# KiCad board SuperBrick1.kicad_pcb (continued)
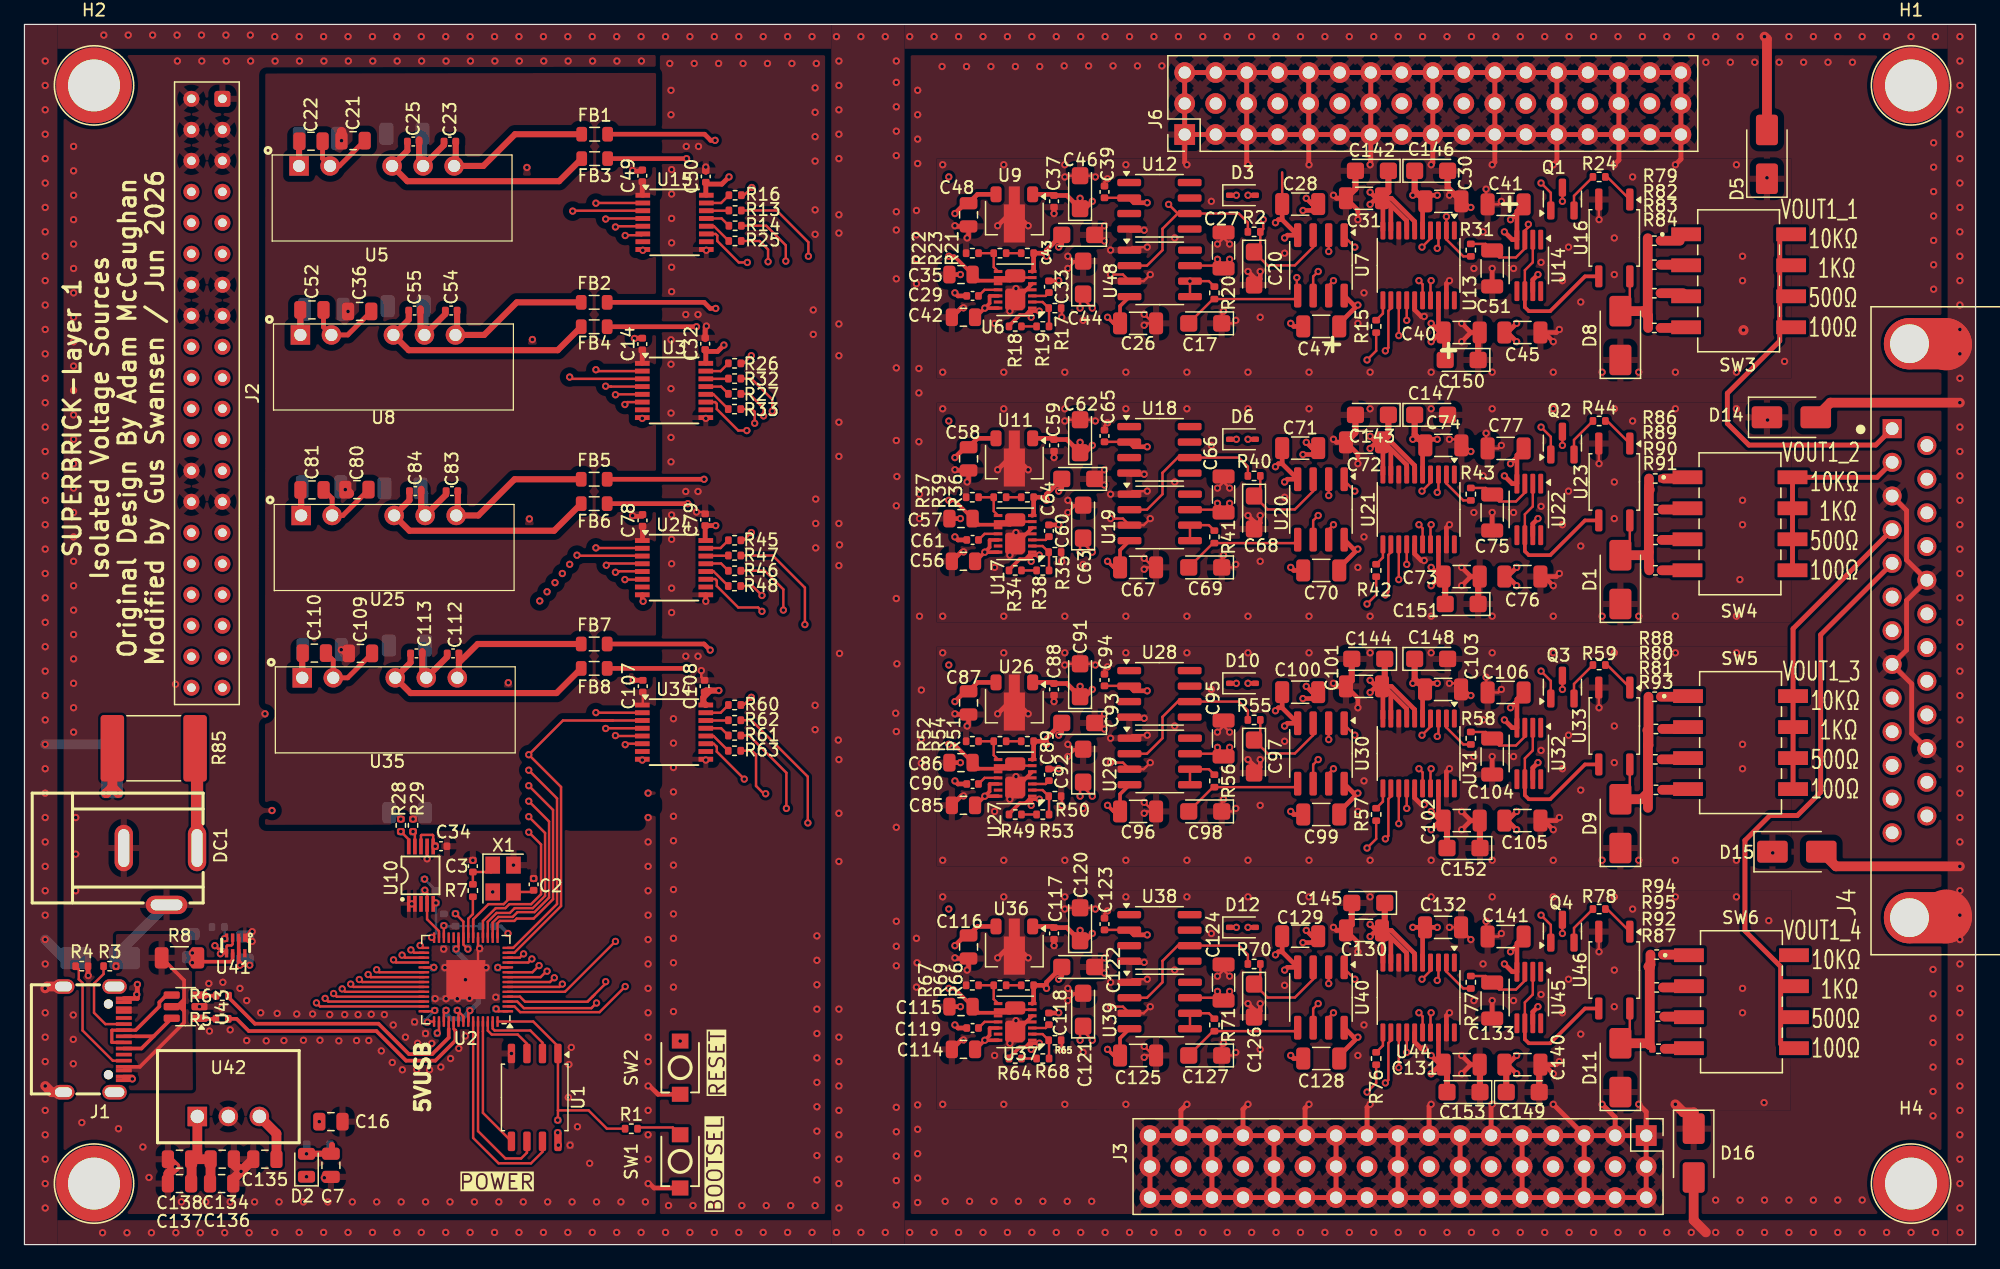
[diagram p0: board, top side]
## Routing (per net, layer and track width the routed paths; a pad name or vN(x,y) marks a point on that pad's centre or on a via; arc(x,y) is an arc through that point) (continued)
  In4.Cu w0.2: v1(59.53,44.85) 59.85,44.85 74.7,26.75 90.58,26.75 91.58,27.75 123.45,27.75 v1(124.2,27)
/Isolated DAC4/AD5781-1/SCLK: length 74.2
  Top w0.2: v1(62.4,35.75) 62.4,38.67 59.35,41.72 R61.2 ; v1(112.55,14.5) U44.13
  In4.Cu w0.2: v1(62.4,35.75) 74,14 112.05,14 v1(112.55,14.5)
/Isolated DAC4/AD5781-1/SDIN: length 74.2
  Top w0.2: R63.2 59.59,40.47 59.91,40.14 59.91,37.59 60.55,36.95 v1(60.7,36.95) ; U44.12 111.9,16.73 111.7,16.53 111.7,13.5 v1(111.45,13.25)
  In4.Cu w0.2: v1(60.7,36.95) 73.5,13.25 v1(111.45,13.25)
/Isolated DAC4/AD5781-1/SDO: length 73.3
  Top w0.2: v1(109.95,12.5) 110.7,13.25 R76.1 ; U34.11 56.45,41.05 56.7,40.8 56.7,40.4 v1(58.95,38.15)
  In4.Cu w0.2: v1(109.95,12.5) 73,12.5 v1(58.95,38.15)
/Isolated DAC4/AD5781-1/VBUF: length 13.2
  Top w0.2: U45.2 123.53,20.5 122.88,19.85 U45.6
  Top w0.3: U46.3 127.8,19.35 124.95,16.5 123.2,16.5 122.88,16.83 U45.6
/Isolated DAC4/AD5781-1/~{SYNC}: length 74.2
  Top w0.2: v1(64.16,34.56) 64.15,34.57 64.15,38.35 59.53,42.97 R62.2 ; v1(113.2,15.75) U44.14
  In4.Cu w0.2: 64.15,34.55 74.7,14.75 111.56,14.75 112.56,15.75 v1(113.2,15.75)
/Isolated DAC4/VREFNEG1: length 3.5
  Top w0.2: R71.1 97,18.96 U39.6 U39.5
/Isolated DAC4/VREFNEG2: length 9.9
  Top w0.2: U40.5 103.98,17.49 R71.2 97.34,17.49 C127.2
/Isolated DAC4/VREFPOS1: length 13.6
  Top w0.2: U39.2 91.93,20.23 93.2,21.5 93.2,23.25 94.45,24.5 U38.6 99.45,24.5 100.19,23.76 R70.1
/Isolated DAC4/VREFPOS2: length 8.8
  Top w0.2: U40.3 105.54,21.75 104.04,20.25 101.8,20.25 C126.1 101.21,21.86 R70.2
/OUTPUT_EN: length 89
  Top w0.2: U15.2 46.81,85.36 v1(46.8,85.35) ; v1(46.8,57.1) 46.81,57.09 50.6,57.09 ; U3.2 46.91,71.59 v1(46.8,71.7) ; v1(46.8,43.6) 46.81,43.59 U34.2 ; v1(46.85,19.8) 46.43,19.38 40.9,19.38 40.36,19.92 U2.3
  In4.Cu w0.2: v1(46.8,71.7) 46.8,71.58 ; v1(46.8,71.7) v1(46.8,85.35) ; v1(46.8,71.7) 46.8,70 ; 46.8,70.35 46.8,70 ; 46.8,70 v1(46.8,57.1) v1(46.8,43.6) 46.8,19.85 v1(46.85,19.8)
/RP2040/QSPI_CLK: length 15
  Top w0.2: U2.52 37.15,17.38 37.15,9.3 39.39,7.06 40.68,7.06 41.15,7.53 U1.6
/RP2040/SD0: length 10.8
  Top w0.2: U2.53 37.55,10.8 U1.5
/RP2040/SD1: length 6
  Top w0.2: U1.2 42.42,16.55 41.43,17.54 38.51,17.54 38.35,17.7 U2.55
/RP2040/SD2: length 5.2
  Top w0.2: U2.54 37.95,17.54 38.27,17.22 40.4,17.22 41.15,16.46 U1.3
/RP2040/SD3: length 17.3
  Top w0.2: U2.51 36.75,8.74 38.83,6.66 41.49,6.66 42.42,7.6 U1.7
/RP2040/USB_DT+: length 22.3
  Top w0.2: U2.47 35.15,17.67 35.24,17.59
  Top w0.3: 35.24,17.59 35.3,17.53 35.3,16.72 33.65,15.08 31.25,15.08 28.82,17.5 18.38,17.5 17.38,18.5 R5.2
/RP2040/USB_DT-: length 21.9
  Top w0.2: U2.46 34.75,17.67
  Top w0.3: 34.75,17.67 34.75,16.96 33.4,15.61 31.49,15.61 29,18.1 18.87,18.1 16.8,20.17 16.8,20.4
/SCLK: length 117.6
  Top w0.2: 46.15,19.95 46.1,19.9 41,19.9 40.58,20.32 U2.4 ; 46.15,19.95 46.52,20.32 46.53,20.32 46.71,20.5 ; 46.15,19.95 47.6,21.4 ; v1(47.6,84.05) 47.64,84.09 U15.4 ; U34.4 47.62,42.32 v1(47.6,42.3) ; U3.4 48.04,70.32 48.03,70.33 47.62,70.33 v1(47.6,70.35) ; 50.6,55.82 47.79,55.82 v1(47.65,55.67)
  In2.Cu w0.2: v1(47.6,70.35) 43.43,66.18 16.44,66.18 J2.23
  In4.Cu w0.2: 47.6,21.4 v1(47.6,42.3) 47.6,55.62 v1(47.65,55.67) 47.6,55.73 v1(47.6,70.35) v1(47.6,84.05)
  vias: v1(47.6,21.55)
/SDIN: length 115.2
  Top w0.2: v1(48.4,41.72) 48.6,41.72 48.64,41.68 U34.5 ; v1(48.4,69.65) 48.6,69.65 48.63,69.68 U3.5 ; v1(48.4,24.85) 44.27,20.72 U2.5 ; 50.6,55.18 48.71,55.18 48.62,55.1 v1(48.4,55.1) ; U15.5 48.46,83.46 v1(48.4,83.4)
  In2.Cu w0.2: v1(48.4,69.65) 48.4,69.45 44.32,65.37 16.98,65.37 16.61,65 15.82,65 15.45,65.37 14.26,65.37 J2.24
  In4.Cu w0.2: v1(48.4,24.85) v1(48.4,41.72) v1(48.4,55.1) v1(48.4,69.65) v1(48.4,83.4)
/SDO: length 113.4
  Top w0.2: 50.6,54.55 50.55,54.5 v1(49.17,54.5) ; U34.6 49.27,41.05 v1(49.2,40.98) ; U15.6 50.54,82.72 49.23,82.72 v1(49.2,82.7) ; v1(49.17,68.85) 49.37,69.05 U3.6 ; U2.2 40.13,19.52 40.6,19.05 47.1,19.05 v1(49.2,21.15)
  In2.Cu w0.2: J2.25 17.3,64.5 44.83,64.5 v1(49.17,68.85)
  In4.Cu w0.2: v1(49.2,82.7) 49.2,68.88 v1(49.17,68.85) 49.2,68.83 49.2,54.52 v1(49.17,54.5) 49.2,54.48 v1(49.2,40.98) v1(49.2,21.15)
/USB_D+: length 1.4
  Top w0.3: U43.1 14.39,18.5 R5.1
/USB_D-: length 1.5
  Top w0.3: 15.78,20.4 14.39,20.4 U43.3
/USBC/CC1: length 7
  Top w0.2: J1.A5 6.63,18.07 5.7,19 5.7,21.4 6.48,22.17 R3.1
/USBC/CC2: length 9.9
  Top w0.2: R4.1 4.45,22.56 4.45,21.75 4.76,21.44 4.76,17.55 7.24,15.07 J1.B5
/USBC/USB_DIN+: length 7.4
  Top w0.265: J1.A6 9.11,17.07
  Top w0.3: J1.B6 9.58,16.07 10.58,17.07 ; 10.58,17.07 U43.6 ; 10.58,17.07 9.11,17.07
/USBC/USB_DIN-: length 8.3
  Top w0.265: J1.A7 7.18,16.57 7.16,16.59 7.16,17.55 7.18,17.57 J1.B7 9.11,17.57
  Top w0.3: 9.11,17.57 11.05,19.52 11.05,19.86 11.64,20.45 U43.4
/VDC: length 16.1
  Top w0.8: 7.2,37.48 6.72,37 v1(6.68,37) ; 7.2,37.48 R85.2 ; 7.2,37.48 v1(7.68,37) ; U42.1 14.16,7.47 13.69,7 ; 13.69,7 13.69,5 ; 13.69,7 15.29,7 15.24,6.95 15.24,5
  In2.Cu w0.8: 9.85,37.05 9.8,37 v1(7.68,37)
  In2.Cu w1: 14.16,10.54 U42.1
/VOUT1: length 12.9
  Top w0.2: D8.2 131.47,77.27 U16.4
  Top w0.8: R84.1 132.97,76.1 132.94,76.12 ; D8.2 132.56,76.5 132.94,76.12 ; 132.94,76.12 132.94,82.47
/VOUT1_1_MUX: length 31.7
  Top w0.4: 143.75,82.45 143.75,74.06 139.46,69.77 139.46,67.29 141.22,65.53 151.61,65.53 J4.1
/VOUT1_2_MUX: length 16.3
  Top w0.4: SW4.5 SW4.8 151.73,62.88 J4.2
/VOUT1_3_MUX: length 24.6
  Top w0.4: SW5.5 SW5.8 144.84,50.48 J4.4
/VOUT1_4_MUX: length 46.9
  Top w0.4: 143.82,16.44 143.82,22.78 140.9,25.71 140.9,33.12 142.94,35.17 145.19,35.17 147.1,37.08 147.1,49.98 J4.5
/VOUT2: length 13.8
  Top w0.2: U23.4 131.47,57.27 D1.2
  Top w0.8: 133.03,56.77 132.76,56.5 D1.2 ; 133.03,55.47 133.03,55.97 ; 133.03,55.97 133.06,55.95 R91.1 ; 133.03,55.97 133.03,61.79 ; 133.03,61.79 133.03,62.06 133.04,62.07 R86.1 ; 133.03,61.79 133.11,61.86
/VOUT2_1_MUX: length 74.4
  In2.Cu w0.4: J6.23 114.09,92.23 115.85,92.23 116.6,91.48 116.6,90.48 119.9,87.18 121.5,87.18 122.38,86.3 126.97,86.3 127.17,86.1 148.8,86.1 149.8,85.1 149.8,64.1 151.08,62.82 151.08,54.94 J4.6
/VOUT2_2_MUX: length 88.2
  In2.Cu w0.4: J4.7 150.03,53.23 150.03,57.79 147.17,60.65 147.17,67.1 144.48,69.79 105.2,69.79 102.5,72.49 102.5,82.81 103.89,84.2 103.89,92.27 J6.11
/VOUT2_3_MUX: length 87.6
  In2.Cu w0.4: J4.9 147.75,39.58 147.75,38.06 140.47,30.78 ; 140.47,30.78 98.37,30.78 95.96,28.37 95.96,7.64 J3.47 ; 140.47,30.78 140.08,30.78
/VOUT2_4_MUX: length 78.7
  In2.Cu w0.4: J4.10 149.16,38.24 149.16,36.35 142.53,29.72 105.43,29.72 103.9,28.19 103.9,20.5 104.4,20 104.4,10.23 103.62,9.45 103.62,7.64 J3.35
/VOUT3: length 16.1
  Top w0.2: U33.4 131.47,37.27 D9.2
  Top w0.8: 132.95,35.8 132.95,40.88 ; 132.95,40.88 132.95,42.1 132.91,42.15 ; 132.95,40.88 133,40.92 R88.1 ; D9.2 132.43,36.5 132.98,37.05
/VOUT3_1_MUX: length 62.3
  In2.Cu w0.4: J3.23 116.28,7.64 118.09,7.64 118.86,8.42 118.86,9.45 120.12,10.71 130.27,10.71 132.87,13.31 144.39,13.31 150.22,19.14 150.22,36.54 J4.11
/VOUT3_2_MUX: length 55.4
  In2.Cu w0.4: J4.12 150.75,34.3 150.75,18.92 142.01,10.18 122.09,10.18 121.36,9.45 121.36,7.64 J3.17
/VOUT3_3_MUX: length 53.1
  In2.Cu w0.4: J6.41 129.29,92.27 147.68,92.27 151.66,88.28 151.66,72.27 154.62,69.31 154.62,63.91 J4.15
/VOUT3_4_MUX: length 49.1
  In2.Cu w0.4: J4.14 155.6,65.69 155.6,71.53 156.87,72.8 156.87,74.86 155.6,76.13 155.6,87.34 148.17,94.77 134.37,94.77 J6.47
/VOUT4: length 13.1
  Top w0.2: U46.4 131.47,17.27 D11.2
  Top w0.8: R94.1 133.16,22.94 133,22.78 133.1,22.69 133.1,16.36 132.96,16.5 D11.2
/VOUT4_1_MUX: length 60
  In2.Cu w0.4: J6.35 124.21,92.27 125.97,92.27 126.79,91.45 126.79,90.46 127.52,89.73 141.16,89.73 141.19,89.76 146.63,89.76 151.13,85.25 151.13,64.26 152.46,62.93 153.44,62.93 155.8,60.57 J4.16
/VOUT4_2_MUX: length 67.8
  In2.Cu w0.4: 155.8,57.81 J4.17 155.8,57.42 153.04,60.17 152.46,60.17 151.61,61.02 151.61,63.04 150.34,64.31 150.34,85.3 148.88,86.76 143.02,86.76 142.99,86.72 142.41,86.72 142.38,86.76 129.74,86.76 126.95,89.55 122.61,89.55 121.67,90.5 121.67,91.49 120.93,92.23 119.17,92.23 J6.29
/VOUT4_3_MUX: length 86.3
  In2.Cu w0.4: J6.17 106.47,92.26 106.47,84.92 105.25,83.7 105.25,74.41 109.34,70.32 144.7,70.32 147.7,67.32 147.7,60.87 150.56,58.01 150.56,53.8 152.66,51.69 J4.19
/VOUT4_4_MUX: length 97.9
  In2.Cu w0.4: 155.8,48.72 J4.20 152.56,48.93 149.5,51.98 149.5,57.57 146.64,60.43 146.64,66.88 144.29,69.23 99.79,69.23 96.31,72.72 96.31,92.27 J6.5
/VOUT5_1_MUX: length 96.9
  In2.Cu w0.4: 101.75,23.46 101.75,29.01 102.99,30.25 142.32,30.25 147.97,35.9 147.97,37.53 148.27,37.84 148.27,39.02 149.81,40.55 ; 101.75,23.46 101.75,28.69 ; 101.75,23.46 101.9,23.31 101.9,11.48 101.08,10.66 101.08,7.68 J3.41 101.04,7.64 101.04,9.45 ; 149.81,40.55 152.46,43.21 153.04,43.21 155.8,45.96 J4.21 ; 149.81,40.55 148.64,39.39
/VOUT5_2_MUX: length 73.6
  In2.Cu w0.4: J4.22 155.8,42.32 153.93,40.45 152.46,40.45 149.69,37.68 149.69,19.36 144.6,14.27 133.08,14.27 131.02,12.2 113.95,12.2 111.2,9.45 111.2,7.64 J3.29
/VOUT5_3_MUX: length 52.2
  In2.Cu w0.4: J3.11 126.48,7.68 140.25,7.68 151.27,18.71 151.27,29.2 154.13,32.06 154.13,36.23 J4.24
/VOUT5_4_MUX: length 45.9
  In2.Cu w0.4: J4.25 155.8,32.72 151.8,28.73 151.8,18.49 138.46,5.14 131.52,5.14 J3.5
/~{RESET}: length 5
  Top w0.2: U2.26 34.35,26.14 v1(34.35,26.14)
  Bottom w0.2: R9.1 37.38,26.1 R10.1 34.39,26.1 v1(34.35,26.14) ; 34.33,26.12 34.34,26.1 35.25,26.1
MD_GND_ISO: length 789.6
  Top w0.2: v1(120.95,25.5) 120.7,25.25 C141.2 119.7,25.38 v1(119.7,26.5) ; v1(88.45,82.25) 87.95,82.75 C43.1 87.7,82.75 v1(88.45,83.5) ; 98.2,82.5 v1(97.7,82) ; 98.2,82.5 C27.1 ; 98.2,82.5 v1(98.7,82) ; v1(98.2,16.5) 98.05,16.35 C127.1 98.95,15.5 v1(99.2,15.75) ; v1(88.95,59.5) 89.96,59.5 U19.3 91.66,58.96 v1(92.2,59.5) ; C66.1 98.2,62.5 ; 98.2,62.5 v1(98.7,62) ; 98.2,62.5 v1(97.7,62) ; U48.1 90.75,81.75 v1(91.95,81.75) ; v1(116.7,86) 117.17,86 C30.2 117.95,85.5 v1(118.45,85) ; v1(87.7,27.5) 87.6,27.6 C120.2 85.3,27.6 v1(85.2,27.5) ; U29.1 90.75,41.75 v1(91.95,41.75) ; v1(116.7,46) 117.15,46 C103.2 117.95,45.5 v1(118.45,45) ; v1(55.43,47.04) 55.43,46.51 C108.2 ; v1(88.95,79.5) 89.96,79.5 U48.3 91.66,78.96 v1(92.2,79.5) ; v1(85.45,61) 85.85,60.6 C63.2 86.05,60.6 v1(85.45,60) ; C65.2 88.45,67.1 v1(88.7,67.35) ; v1(84.95,76) 84.95,76.7 R17.2 ; v1(92.2,39.5) 91.66,38.96 U29.3 89.96,39.5 v1(88.95,39.5) ; v1(88.7,27.35) 88.45,27.1 C123.2 ; 98.2,42.5 v1(98.7,42) ; 98.2,42.5 C95.1 ; 98.2,42.5 v1(97.7,42) ; U33.2 128.93,44.02 v1(128.95,44) ; v1(85.45,41) 85.85,40.6 C92.2 86.05,40.6 v1(85.45,40) ; C94.2 88.45,47.1 v1(88.7,47.35) ; v1(91.7,75.35) 91.85,75.5 C26.2 92.45,75.5 v1(91.7,76.25) ; v1(85.2,47.5) 85.3,47.6 C91.2 87.6,47.6 v1(87.7,47.5) ; v1(116.7,26) C132.2 117.65,25.8 v1(118.45,25) ; v1(88.45,22.25) 87.95,22.75 C122.1 87.7,22.75 v1(88.45,23.5) ; v1(88.45,63.5) 87.7,62.75 C64.1 87.95,62.75 v1(88.45,62.25) ; v1(88.95,19.5) 89.96,19.5 U39.3 91.66,18.96 v1(92.2,19.5) ; v1(85.2,87.5) 85.3,87.6 C46.2 87.6,87.6 v1(87.7,87.5) ; C39.2 88.45,87.1 v1(88.7,87.35) ; R50.2 84.95,36.7 v1(84.95,36) ; C124.1 98.2,22.5 ; 98.2,22.5 v1(98.7,22) ; 98.2,22.5 v1(97.7,22) ; v1(120.95,65.5) 120.7,65.25 C77.2 119.7,65.38 v1(119.7,66.5) ; v1(88.45,43.5) 87.7,42.75 C93.1 87.95,42.75 v1(88.45,42.25) ; v1(87.7,67.5) 87.6,67.6 C62.2 85.3,67.6 v1(85.2,67.5) ; v1(119.7,46.5) 119.7,45.38 C106.2 120.7,45.25 v1(120.95,45.5) ; R35.2 84.95,56.7 v1(84.95,56) ; v1(85.45,81) 85.85,80.6 C44.2 86.05,80.6 v1(85.45,80) ; U39.1 90.75,21.75 v1(91.95,21.75) ; U23.2 128.93,64.02 v1(128.95,64) ; v1(91.7,15.35) 91.85,15.5 C125.2 92.45,15.5 v1(91.7,16.25) ; v1(120.95,85.5) 120.7,85.25 C41.2 119.7,85.38 v1(119.7,86.5) ; v1(91.7,56.25) 92.45,55.5 C67.2 91.85,55.5 v1(91.7,55.35) ; v1(91.95,61.75) 90.75,61.75 U19.1 ; v1(128.95,24) 128.93,24.02 U46.2 ; v1(99.2,75.75) 98.95,75.5 C17.1 98.05,76.35 v1(98.2,76.5) ; v1(85.45,20) 86.05,20.6 C121.2 85.85,20.6 v1(85.45,21) ; v1(91.7,35.35) 91.85,35.5 C96.2 92.45,35.5 v1(91.7,36.25) ; v1(128.95,84) 128.93,84.02 U16.2 ; v1(98.2,56.5) 98.05,56.35 C69.1 98.95,55.5 v1(99.2,55.75) ; v1(99.2,35.75) 98.95,35.5 C98.1 98.05,36.35 v1(98.2,36.5) ; v1(116.7,66) 117.17,66 C74.2 117.95,65.5 v1(118.45,65) ; v1(84.95,16) 84.95,16.7 R65.2 ; C79.2 55.75,59.94 55.65,60.04 v1(55.04,60.04)
  Top w0.3: U17.4 81.14,58.29 v1(81.2,58.36) ; U17.4 81.25,57.46 U17.5 ; U17.4 81.14,56.94 v1(80.7,56.5) ; U27.4 81.14,36.94 v1(80.7,36.5) ; U27.4 81.14,38.29 v1(81.2,38.35) ; U27.4 81.25,37.46 U27.5 ; v1(81.2,78.36) 81.14,78.29 U6.4 ; U37.4 81.14,16.94 v1(80.7,16.5) ; U37.4 81.14,18.29 v1(81.2,18.35) ; U37.4 81.25,17.46 U37.5 ; U6.4 81.25,77.46 U6.5 ; U6.4 81.14,76.94 v1(80.7,76.5)
  Top w0.381: v1(116.7,59) 116.45,58.75 U21.19 ; v1(77.2,42.5) 77.32,42.62 C87.2 76.25,43.45 v1(76.2,43.5) ; U13.19 116.45,78.75 v1(116.7,79) ; v1(79.7,83.5) 81.07,84.87 U9.2 81.07,84.63 v1(82.2,83.5) ; v1(117.7,34) 118.45,34.75 ; 118.45,34.75 v1(117.7,35.5) ; 118.45,34.75 C102.2 ; v1(117.7,74) 118.45,74.75 ; 118.45,74.75 v1(117.7,75.5) ; 118.45,74.75 C40.2 ; 118.45,14.75 v1(117.7,15.5) ; 118.45,14.75 v1(117.7,14) ; 118.45,14.75 C131.2 ; v1(109.2,44) 109.2,44.77 108.22,45.75 107.45,45.75 v1(107.2,46) ; 130.2,72.5 D8.1 131.2,72.5 ; v1(101.2,19.75) 101.2,19.15 C126.2 100.7,19.25 v1(100.2,19.75) ; v1(125.7,15) 125.45,14.75 C140.2 124.45,14.75 v1(125.2,14) ; v1(77.2,82.5) 77.32,82.62 C48.2 76.25,83.44 v1(76.2,83.5) ; C104.2 v1(120.2,40) ; 130.2,52.5 D1.1 131.2,52.5 ; v1(79.7,43.5) 81.07,44.87 U26.2 81.07,44.63 v1(82.2,43.5) ; U44.19 116.45,18.75 v1(116.7,19) ; v1(76.65,39.5) C86.2 ; v1(114.63,36.07) 114.39,36.07 113.85,36.6 U31.15 ; 55.8,53.28 55.8,52.72 v1(55.8,52.72) ; C56.2 76.72,56.77 v1(76.91,56.77) ; v1(79.7,23.5) 81.07,24.87 U36.2 81.07,24.63 v1(82.2,23.5) ; v1(84.32,44.5) C88.1 ; v1(101.2,39.75) 101.2,39.15 C97.2 100.7,39.25 v1(100.2,39.75) ; v1(55.8,67.71) U3.9 ; v1(125.7,35) 125.45,34.75 C105.2 124.45,34.75 v1(125.2,34) ; v1(125.2,54) 124.45,54.75 C76.2 125.45,54.75 v1(125.7,55) ; U13.15 113.85,76.6 114.39,76.07 v1(114.63,76.07) ; v1(76.91,16.77) 76.72,16.77 C114.2 ; U38.4 90.57,23.13 v1(91.7,23.13) ; C75.2 v1(120.2,60) ; v1(55.8,39.71) U34.9 ; v1(82.2,63.5) 81.07,64.63 U11.2 81.07,64.87 v1(79.7,63.5) ; v1(100.2,59.75) 100.7,59.25 C68.2 101.2,59.15 v1(101.2,59.75) ; v1(91.7,63.14) 90.57,63.14 U18.4 ; v1(125.7,75) 125.45,74.75 C45.2 124.45,74.75 v1(125.2,74) ; v1(109.2,24) 109.2,24.77 108.22,25.75 107.45,25.75 v1(107.2,26) ; U21.15 113.85,56.6 114.39,56.07 v1(114.63,56.07) ; v1(107.2,86) 107.45,85.75 108.22,85.75 109.2,84.78 v1(109.2,84) ; v1(76.65,19.5) C115.2 ; U28.4 90.57,43.13 v1(91.7,43.13) ; v1(76.91,36.77) 76.72,36.77 C85.2 ; 130.2,32.5 D9.1 131.2,32.5 ; U31.19 116.45,38.75 v1(116.7,39) ; 131.2,12.5 D11.1 130.2,12.5 ; v1(91.7,83.14) 90.57,83.14 U12.4 ; 118.45,54.75 v1(117.7,55.5) ; 118.45,54.75 v1(117.7,54) ; 118.45,54.75 C73.2 ; v1(84.32,84.5) C37.1 ; v1(100.2,79.75) 100.7,79.25 C20.2 101.2,79.15 v1(101.2,79.75) ; C42.2 76.72,76.77 v1(76.91,76.77) ; v1(76.2,63.5) 76.25,63.45 C58.2 77.32,62.62 v1(77.2,62.5) ; C51.2 v1(120.2,80) ; v1(84.32,64.5) C59.1 ; v1(76.65,79.5) C35.2 ; v1(109.2,64) 109.2,64.78 108.22,65.75 107.45,65.75 v1(107.2,66) ; U44.15 113.85,16.6 114.39,16.07 v1(114.63,16.07) ; v1(77.2,22.5) 77.32,22.62 C116.2 76.25,23.45 v1(76.2,23.5) ; v1(55.84,81.49) 55.84,81.56 ; v1(76.65,59.5) C57.2 ; v1(84.32,24.5) C117.1 ; C133.2 v1(120.2,20)
  Top w0.4: v1(55.85,75.28) 55.75,75.18 55.75,74.16 ; v1(95.2,11.5) 94.71,11.01 J3.46 ; v1(132.2,11.5) 132.81,10.89 J3.1 ; v1(129.2,11.5) 130.27,10.43 J3.4 ; J6.27 J6.25 115.34,88.64 v1(115.2,88.5) ; v1(100.2,11.5) 99.79,11.09 J3.40 ; J6.49 135.66,88.96 v1(135.2,88.5) ; J6.49 J6.1 ; J6.49 J6.51 J6.3 J6.1 ; J6.9 J6.7 100.1,88.6 v1(100.2,88.5) ; 55.8,87.87 55.8,88.31 v1(55.8,88.31) ; J6.1 95.02,88.68 v1(95.2,88.5) ; v1(143.18,32.1) 143.15,32.12 D15.1 ; J6.39 J6.37 125.5,88.8 v1(125.2,88.5) ; J3.1 J3.49 J3.51 J3.3 J3.1 ; v1(105.2,11.5) 104.87,11.17 J3.34 ; J4.3 154.13,60.17 154.13,56.11 J4.18 154.13,52.79 154.13,48.73 J4.8 154.55,45.95 154.55,41.89 J4.23 ; J6.45 J6.43 130.58,88.88 v1(130.2,88.5) ; J3.19 J3.21 ; J6.15 J6.13 105.18,88.52 v1(105.2,88.5) ; J3.43 J3.45 ; J6.33 J6.31 120.42,88.72 v1(120.2,88.5) ; J3.13 J3.15 ; J3.16 120.11,11.41 v1(120.2,11.5) ; v1(115.2,11.5) 115.03,11.33 J3.22 ; v1(125.2,11.5) 127.73,8.97 J3.7 J3.9 ; J6.21 J6.19 110.26,88.56 v1(110.2,88.5) ; J3.37 J3.39 ; J3.28 109.95,11.25 v1(110.2,11.5) ; J3.31 J3.33 ; J3.25 J3.27
  Top w0.5: 32.32,90.59 C25.1 32.32,88.73 U5.5 34.36,90.11 C23.2 ; C73.2 119.05,54.62 C151.1 ; C142.2 109,86.53 108.22,85.75 ; C149.2 124.05,14.65 C140.2 ; C146.2 116.55,86.62 C30.2 ; 108.22,65.75 109,66.53 C143.2 ; 108.22,25.75 108.7,26.23 C145.2 ; 32.58,48.64 C113.1 32.58,46.78 U35.5 34.62,48.16 C112.2 ; 32.49,61.94 C84.1 32.49,60.08 U25.5 34.53,61.47 C83.2 ; C102.2 119.2,34.73 C152.1 ; C54.2 34.47,76.26 U8.5 32.43,74.88 C55.1 32.43,76.74 ; C131.2 119.2,14.72 C153.1 ; C40.2 119.05,74.62 C150.1 ; 108.22,45.75 108.7,46.23 C144.2
  Top w0.8: D14.1 142.7,67.62 v1(142.75,67.58) ; D16.1 136.7,10.84 135.86,10.84 v1(135.2,11.5) ; v1(140.78,74.95) 140.78,74.94 140.78,74.92 ; D5.1 v1(142.7,87.42)
  In2.Cu w0.4: 155.8,40.44 J4.23 ; 155.8,55.05 J4.18
  In3.Cu w1: U8.5 34.43,76.22 v1(55.16,76.22) ; U35.5 34.68,48.22 v1(55.16,48.22) ; v1(55.16,61.72) 34.79,61.72 U25.5 ; v1(55.2,90) 34.25,90 U5.5
  In4.Cu w0.4: J4.3 144.14,70.16 v1(144.14,72.38) ; J4.18 140.53,54.45 v1(140.48,54.5) ; v1(140.2,48.5) 152,48.5 J4.8 ; v1(142.85,26.55) 142.85,28.08 152.66,37.89 153.24,37.89 155.8,40.44 J4.23
  Bottom w0.4: U35.5 32.79,46.57 C111.2
  Bottom w0.5: U25.5 32.82,61.58 C82.2
  Bottom w0.8: U8.5 32.69,74.62 C53.2 ; U5.5 32.59,88.46 C24.2
  vias: v1(52.75,3.2) v1(52.85,96.8) v1(52.95,94.6) v1(52.95,92.6) v1(53,88.1) v1(53,86.1) v1(53,84.1) v1(53,82.1) v1(53,80.1) v1(53,78.1) v1(52.95,74.15) v1(52.95,72.15) v1(52.95,70.15) v1(52.95,68.15) v1(52.95,66.15) v1(52.95,64.15) v1(53,59.8) v1(53,57.8) v1(53,55.8) v1(53,53.8) v1(53,51.8) v1(53.15,43.1) v1(53.15,41.1) v1(53.15,39.1) v1(53.15,37.1) v1(53.15,35.1) v1(53.15,33.1) v1(53.15,31.1) v1(53.15,29.1) v1(53.15,27.1) v1(53.15,25.1) v1(53.15,23.1) v1(53.15,21.1) v1(53.15,19.1) v1(54.2,90) v1(54.16,76.22) v1(54.16,61.72) v1(54.16,48.22) v1(54.75,3.2) v1(54.85,96.8) v1(56.75,3.2) v1(56.85,96.8) v1(58.75,3.2) v1(58.85,96.8) v1(60.75,3.2) v1(60.85,96.8) v1(62.75,3.2) v1(62.85,96.8) v1(64.6,76.6) v1(64.6,74.6) v1(64.75,94.8) v1(64.75,92.8) v1(64.75,90.8) v1(64.75,88.8) v1(64.75,84.8) v1(64.75,82.8) v1(64.75,44.2) v1(64.75,42.2) v1(64.75,3.2) v1(64.8,61.1) v1(64.8,59.1) v1(64.8,57.1) v1(64.85,96.8) v1(64.9,25.3) v1(64.9,23.3) v1(64.9,21.3) v1(64.9,19.3) v1(64.9,17.3) v1(64.9,15.3) v1(64.9,13.3) v1(64.9,11.3) v1(64.9,9.3) v1(64.9,7.3) v1(64.9,5.3) v1(73.05,84.75) v1(73.05,82.75) v1(73.05,80.75) v1(73.05,78.75) v1(73.05,25.1) v1(73.05,21.1) v1(73.15,94.6) v1(73.15,92.6) v1(73.15,90.6) v1(73.15,88.6) v1(73.1,23.1) v1(73.15,11.45) v1(73.15,9.45) v1(73.15,7.45) v1(73.15,5.45) v1(73.15,3.45) v1(73.25,71.8) v1(73.25,69.8) v1(73.25,65.8) v1(73.3,61.5) v1(73.3,59.5) v1(73.3,51.5) v1(73.45,45.45) v1(73.45,41.45) v1(73.45,39.45) v1(75.15,96.55) v1(75.2,88.5) v1(75.2,71.5) v1(75.2,68.5) v1(75.2,51.5) v1(75.2,48.5) v1(75.2,31.5) v1(75.2,28.5) v1(75.2,11.5) v1(75.4,3.55) v1(77.15,96.55) v1(77.4,3.55) v1(79.15,96.55) v1(79.4,3.55) v1(79.45,75.5) v1(79.45,55.5) v1(79.45,35.5) v1(79.45,15.5) v1(80.2,88.5) v1(80.2,71.5) v1(80.2,68.5) v1(80.2,51.5) v1(80.2,48.5) v1(80.2,31.5) v1(80.2,28.5) v1(80.2,11.5) v1(81.15,96.55) v1(81.4,3.55) v1(83.15,96.55) v1(83.4,3.55) v1(85.15,96.6) v1(85.2,88.5) v1(85.2,71.5) v1(85.2,68.5) v1(85.2,51.5) v1(85.2,48.5) v1(85.2,31.5) v1(85.2,28.5) v1(85.2,11.5) v1(85.4,3.55) v1(86.7,75.75) v1(86.7,55.75) v1(86.7,35.75) v1(86.7,15.75) v1(87.15,96.6) v1(87.4,3.55) v1(88.95,81.5) v1(88.95,61.5) v1(88.95,41.5) v1(88.95,21.5) v1(89.15,96.6) v1(90.2,88.5) v1(90.2,71.5) v1(90.2,68.5) v1(90.2,51.5) v1(90.2,48.5) v1(90.2,31.5) v1(90.2,28.5) v1(90.2,11.5) v1(91.15,96.6) v1(93.15,96.6) v1(94.2,82.5) v1(94.2,62.5) v1(94.2,42.5) v1(94.2,22.5) v1(95.2,71.5) v1(95.2,68.5) v1(95.2,51.5) v1(95.2,48.5) v1(95.2,31.5) v1(95.2,28.5) v1(97.2,85.5) v1(97.2,65.5) v1(97.2,45.5) v1(97.2,25.5) v1(100.2,71.5) v1(100.2,68.5) v1(100.2,51.5) v1(100.2,48.5) v1(100.2,31.5) v1(100.2,28.5) v1(101.2,76) v1(101.2,56) v1(101.2,36) v1(101.2,16) v1(103.2,81.25) v1(103.2,61.25) v1(103.2,41.25) v1(103.2,21.25) v1(105.2,71.5) v1(105.2,68.5) v1(105.2,51.5) v1(105.2,48.5) v1(105.2,31.5) v1(105.2,28.5) v1(109.2,75.5) v1(109.2,55.5) v1(109.2,35.5) v1(109.2,15.5) v1(109.7,78) v1(109.7,58) v1(109.7,38) v1(109.7,18) v1(110.2,71.5) v1(110.2,68.5) v1(110.2,51.5) v1(110.2,48.5) v1(110.2,31.5) v1(110.2,28.5) v1(115.2,71.5) v1(115.2,68.5) v1(115.2,51.5) v1(115.2,48.5) v1(115.2,31.5) v1(115.2,28.5) v1(118.7,80) v1(118.7,60) v1(118.7,40) v1(118.7,20) v1(119.45,83) v1(119.45,63) v1(119.45,43) v1(119.45,23) v1(120.2,71.5) v1(120.2,68.5) v1(120.2,51.5) v1(120.2,48.5) v1(120.2,31.5) v1(120.2,28.5) v1(121.95,80) v1(121.95,60) v1(121.95,40) v1(121.95,20) v1(124.2,80.5) v1(124.2,60.5) v1(124.2,40.5) v1(124.2,20.5) v1(125.2,71.5) v1(125.2,68.5) v1(125.2,51.5) v1(125.2,48.5) v1(125.2,31.5) v1(125.2,28.5) v1(125.95,79) v1(125.95,59) v1(125.95,39) v1(125.95,19) v1(126.45,81.75) v1(126.45,61.75) v1(126.45,41.75) v1(126.45,21.75) v1(127.45,77.25) v1(127.45,57.25) v1(127.45,37.25) v1(127.45,17.25) v1(129.2,71.5) v1(129.2,51.5) v1(129.2,31.5) v1(130.2,82.5) v1(130.2,79.5) v1(130.2,68.5) v1(130.2,62.5) v1(130.2,59.5) v1(130.2,48.5) v1(130.2,42.5) v1(130.2,39.5) v1(130.2,28.5) v1(130.2,22.5) v1(130.2,19.5) v1(131.7,87.5) v1(131.7,67.5) v1(131.7,27.5) v1(132.2,71.5) v1(132.2,51.5) v1(132.2,31.5) v1(135.2,71.5) v1(135.2,68.5) v1(135.2,51.5) v1(135.2,48.5) v1(135.2,31.5) v1(135.2,28.5) v1(137.7,96.9) v1(138.5,3.65) v1(139.7,96.9) v1(140.2,88.5) v1(140.2,71.5) v1(140.2,68.5) v1(140.2,51.5) v1(140.2,31.5) v1(140.2,28.5) v1(140.5,3.65) v1(140.7,81) v1(140.7,79) v1(140.7,61) v1(140.7,59) v1(140.7,41) v1(140.7,39) v1(140.7,21) v1(140.7,19) v1(141.7,96.9) v1(142.47,11.63) v1(142.5,3.65) v1(143.7,96.9) v1(144.5,3.65) v1(145.7,96.9) v1(146.5,3.65) v1(147.7,96.9) v1(148.5,3.65) v1(149.7,96.9) v1(150.5,3.65) v1(156.35,90.3) v1(156.35,88.3) v1(156.35,86.3) v1(156.35,84.3) v1(156.35,82.3) v1(156.35,80.3) v1(156.35,78.3) v1(156.3,22.55) v1(156.3,20.55) v1(156.3,18.55) v1(156.3,16.55) v1(156.3,14.55) v1(156.3,12.55) v1(156.3,10.55)
SHIELD: length 63.6
  Top w0.8: D16.2 136.7,2 137.7,1 ; J1.2 2.21,12.49 v1(1.7,13) ; v1(158.5,69) 147.9,69 D14.2 ; v1(158.5,31) 148.35,31 D15.2 ; v1(142.5,99) 142.7,98.8 D5.2 ; J1.3 1.85,21.15 v1(1.7,21)
  Top w4.2: 157.39,27 157.39,26.84 157.34,26.79 J4.G1 ; 157.39,73.75 157.39,73.78 157.34,73.83 J4.G2
  In3.Cu w0.8: J1.2 J1.1 ; J1.3 J1.0
  Bottom w0.8: D7.2 6.35,41 v1(1.7,41) ; D4.1 3.23,23.48 v1(1.7,25)
  vias: v1(1.7,97) v1(1.7,95) v1(1.7,93) v1(1.7,91) v1(1.7,89) v1(1.7,87) v1(1.7,85) v1(1.7,83) v1(1.7,81) v1(1.7,79) v1(1.7,77) v1(1.7,75) v1(1.7,73) v1(1.7,71) v1(1.7,69) v1(1.7,67) v1(1.7,65) v1(1.7,63) v1(1.7,61) v1(1.7,59) v1(1.7,57) v1(1.7,55) v1(1.7,53) v1(1.7,51) v1(1.7,49) v1(1.7,47) v1(1.7,45) v1(1.7,43) v1(1.7,39) v1(1.7,37) v1(1.7,35) v1(1.7,33) v1(1.7,31) v1(1.7,29) v1(1.7,27) v1(1.7,23) v1(1.7,19) v1(1.7,17) v1(1.7,15) v1(1.7,11) v1(1.7,9) v1(1.7,7) v1(1.7,5) v1(1.7,3) v1(6.4,0.97) v1(6.5,99.12) v1(8.4,0.97) v1(8.5,99.12) v1(10.4,0.97) v1(10.5,99.12) v1(12.4,0.97) v1(12.5,99.12) v1(14.4,0.97) v1(14.5,99.12) v1(16.4,0.97) v1(16.5,99.12) v1(18.4,0.97) v1(18.5,99.12) v1(20.5,99) v1(20.5,1) v1(22.5,99) v1(22.5,1) v1(24.5,99) v1(24.5,1) v1(26.5,99) v1(26.5,1) v1(28.5,99) v1(28.5,1) v1(30.5,99) v1(30.5,1) v1(32.5,99) v1(32.5,1) v1(34.5,99) v1(34.5,1) v1(36.5,99) v1(36.5,1) v1(38.5,99) v1(38.5,1) v1(40.5,99) v1(40.5,1) v1(42.5,99) v1(42.5,1) v1(44.5,99) v1(44.5,1) v1(46.5,99) v1(46.5,1) v1(48.5,99) v1(48.5,1) v1(50.5,99) v1(50.5,1) v1(52.5,99) v1(52.5,1) v1(54.5,99) v1(54.5,1) v1(56.5,99) v1(56.5,1) v1(58.5,99) v1(58.5,1) v1(60.5,99) v1(60.5,1) v1(62.5,99) v1(62.5,1) v1(64.5,99) v1(64.5,1) v1(66.5,99) v1(66.5,1) v1(66.65,41.35) v1(66.7,97) v1(66.7,95) v1(66.7,93) v1(66.7,91) v1(66.7,89) v1(66.7,84.4) v1(66.7,82.9) v1(66.7,75.45) v1(66.7,72.85) v1(66.7,67.4) v1(66.7,64.6) v1(66.7,59.1) v1(66.75,57.35) v1(66.7,55.65) v1(66.75,48.45) v1(66.7,39.75) v1(66.7,35.35) v1(66.7,31.4) v1(66.7,19.3) v1(66.7,17) v1(66.7,15) v1(66.7,13) v1(66.7,11) v1(66.7,9) v1(66.7,7) v1(66.7,5) v1(66.7,3) v1(68.5,99) v1(68.5,1) v1(70.5,99) v1(70.5,1) v1(71.4,97) v1(71.4,95.25) v1(71.4,93.25) v1(71.4,91.25) v1(71.4,89.25) v1(71.4,84.65) v1(71.4,83.15) v1(71.4,79.15) v1(71.4,71.85) v1(71.4,65.9) v1(71.4,60.55) v1(71.4,52.95) v1(71.35,43.55) v1(71.4,42.05) v1(71.4,34.2) v1(71.4,26.5) v1(71.4,24.45) v1(71.4,22.85) v1(71.4,11.25) v1(71.4,9.25) v1(71.4,7.25) v1(71.4,5.25) v1(71.4,3.25) v1(71.45,62.95) v1(71.45,47.6) v1(72.5,99) v1(72.5,1) v1(74.5,99) v1(74.5,1) v1(76.5,99) v1(76.5,1) v1(78.5,99) v1(78.5,1) v1(80.5,99) v1(80.5,1) v1(82.5,99) v1(82.5,1) v1(84.5,99) v1(84.5,1) v1(86.5,99) v1(86.5,1) v1(88.5,99) v1(88.5,1) v1(90.5,99) v1(90.5,1) v1(92.5,99) v1(92.5,1) v1(94.5,99) v1(94.5,1) v1(96.5,99) v1(96.5,1) v1(98.5,99) v1(98.5,1) v1(100.5,99) v1(100.5,1) v1(102.5,99) v1(102.5,1) v1(104.5,99) v1(104.5,1) v1(106.5,99) v1(106.5,1) v1(108.5,99) v1(108.5,1) v1(110.5,99) v1(110.5,1) v1(112.5,99) v1(112.5,1) v1(114.5,99) v1(114.5,1) v1(116.5,99) v1(116.5,1) v1(118.5,99) v1(118.5,1) v1(120.5,99) v1(120.5,1) v1(122.5,99) v1(122.5,1) v1(124.5,99) v1(124.5,1) v1(126.5,99) v1(126.5,1) v1(128.5,99) v1(128.5,1) v1(130.5,99) v1(130.5,1) v1(132.5,99) v1(132.5,1) v1(134.5,99) v1(134.5,1) v1(136.5,99) v1(136.5,1) v1(138.5,99) v1(138.5,1) v1(140.5,99) v1(140.5,1) v1(142.5,1) v1(144.5,99) v1(144.5,1) v1(146.5,99) v1(146.5,1) v1(148.5,99) v1(148.5,1) v1(150.5,99) v1(150.5,1) v1(152.5,99) v1(152.5,1) v1(154.5,99) v1(154.5,1) v1(156.5,99) v1(156.5,1) v1(158.5,99) v1(158.5,97) v1(158.5,95) v1(158.5,93) v1(158.5,91) v1(158.5,89) v1(158.5,87) v1(158.5,85) v1(158.5,83) v1(158.5,81) v1(158.5,79) v1(158.5,77) v1(158.5,75) v1(158.5,73) v1(158.5,71) v1(158.5,67) v1(158.5,65) v1(158.5,63) v1(158.5,61) v1(158.5,59) v1(158.5,57) v1(158.5,55) v1(158.5,53) v1(158.5,51) v1(158.5,49) v1(158.5,47) v1(158.5,45) v1(158.5,43) v1(158.5,41) v1(158.5,39) v1(158.5,37) v1(158.5,35) v1(158.5,33) v1(158.5,29) v1(158.5,27) v1(158.5,25) v1(158.5,23) v1(158.5,21) v1(158.5,19) v1(158.5,17) v1(158.5,15) v1(158.5,13) v1(158.5,11) v1(158.5,9) v1(158.5,7) v1(158.5,5) v1(158.5,3) v1(158.5,1)
